# Altium PCB pcb.PcbDoc (part 1 of 2)
Units mil, origin at the board's own origin, x right, y up, seen from the top; angles counter-clockwise.
Board outline 5395 x 5905.51 mil, 4 copper layers (Top Layer, Inner Layer L2, Inner Layer L3, Bottom Layer), stack 62.449 mil thick; 249 components, 93 nets, 542 pads, 119 vias.
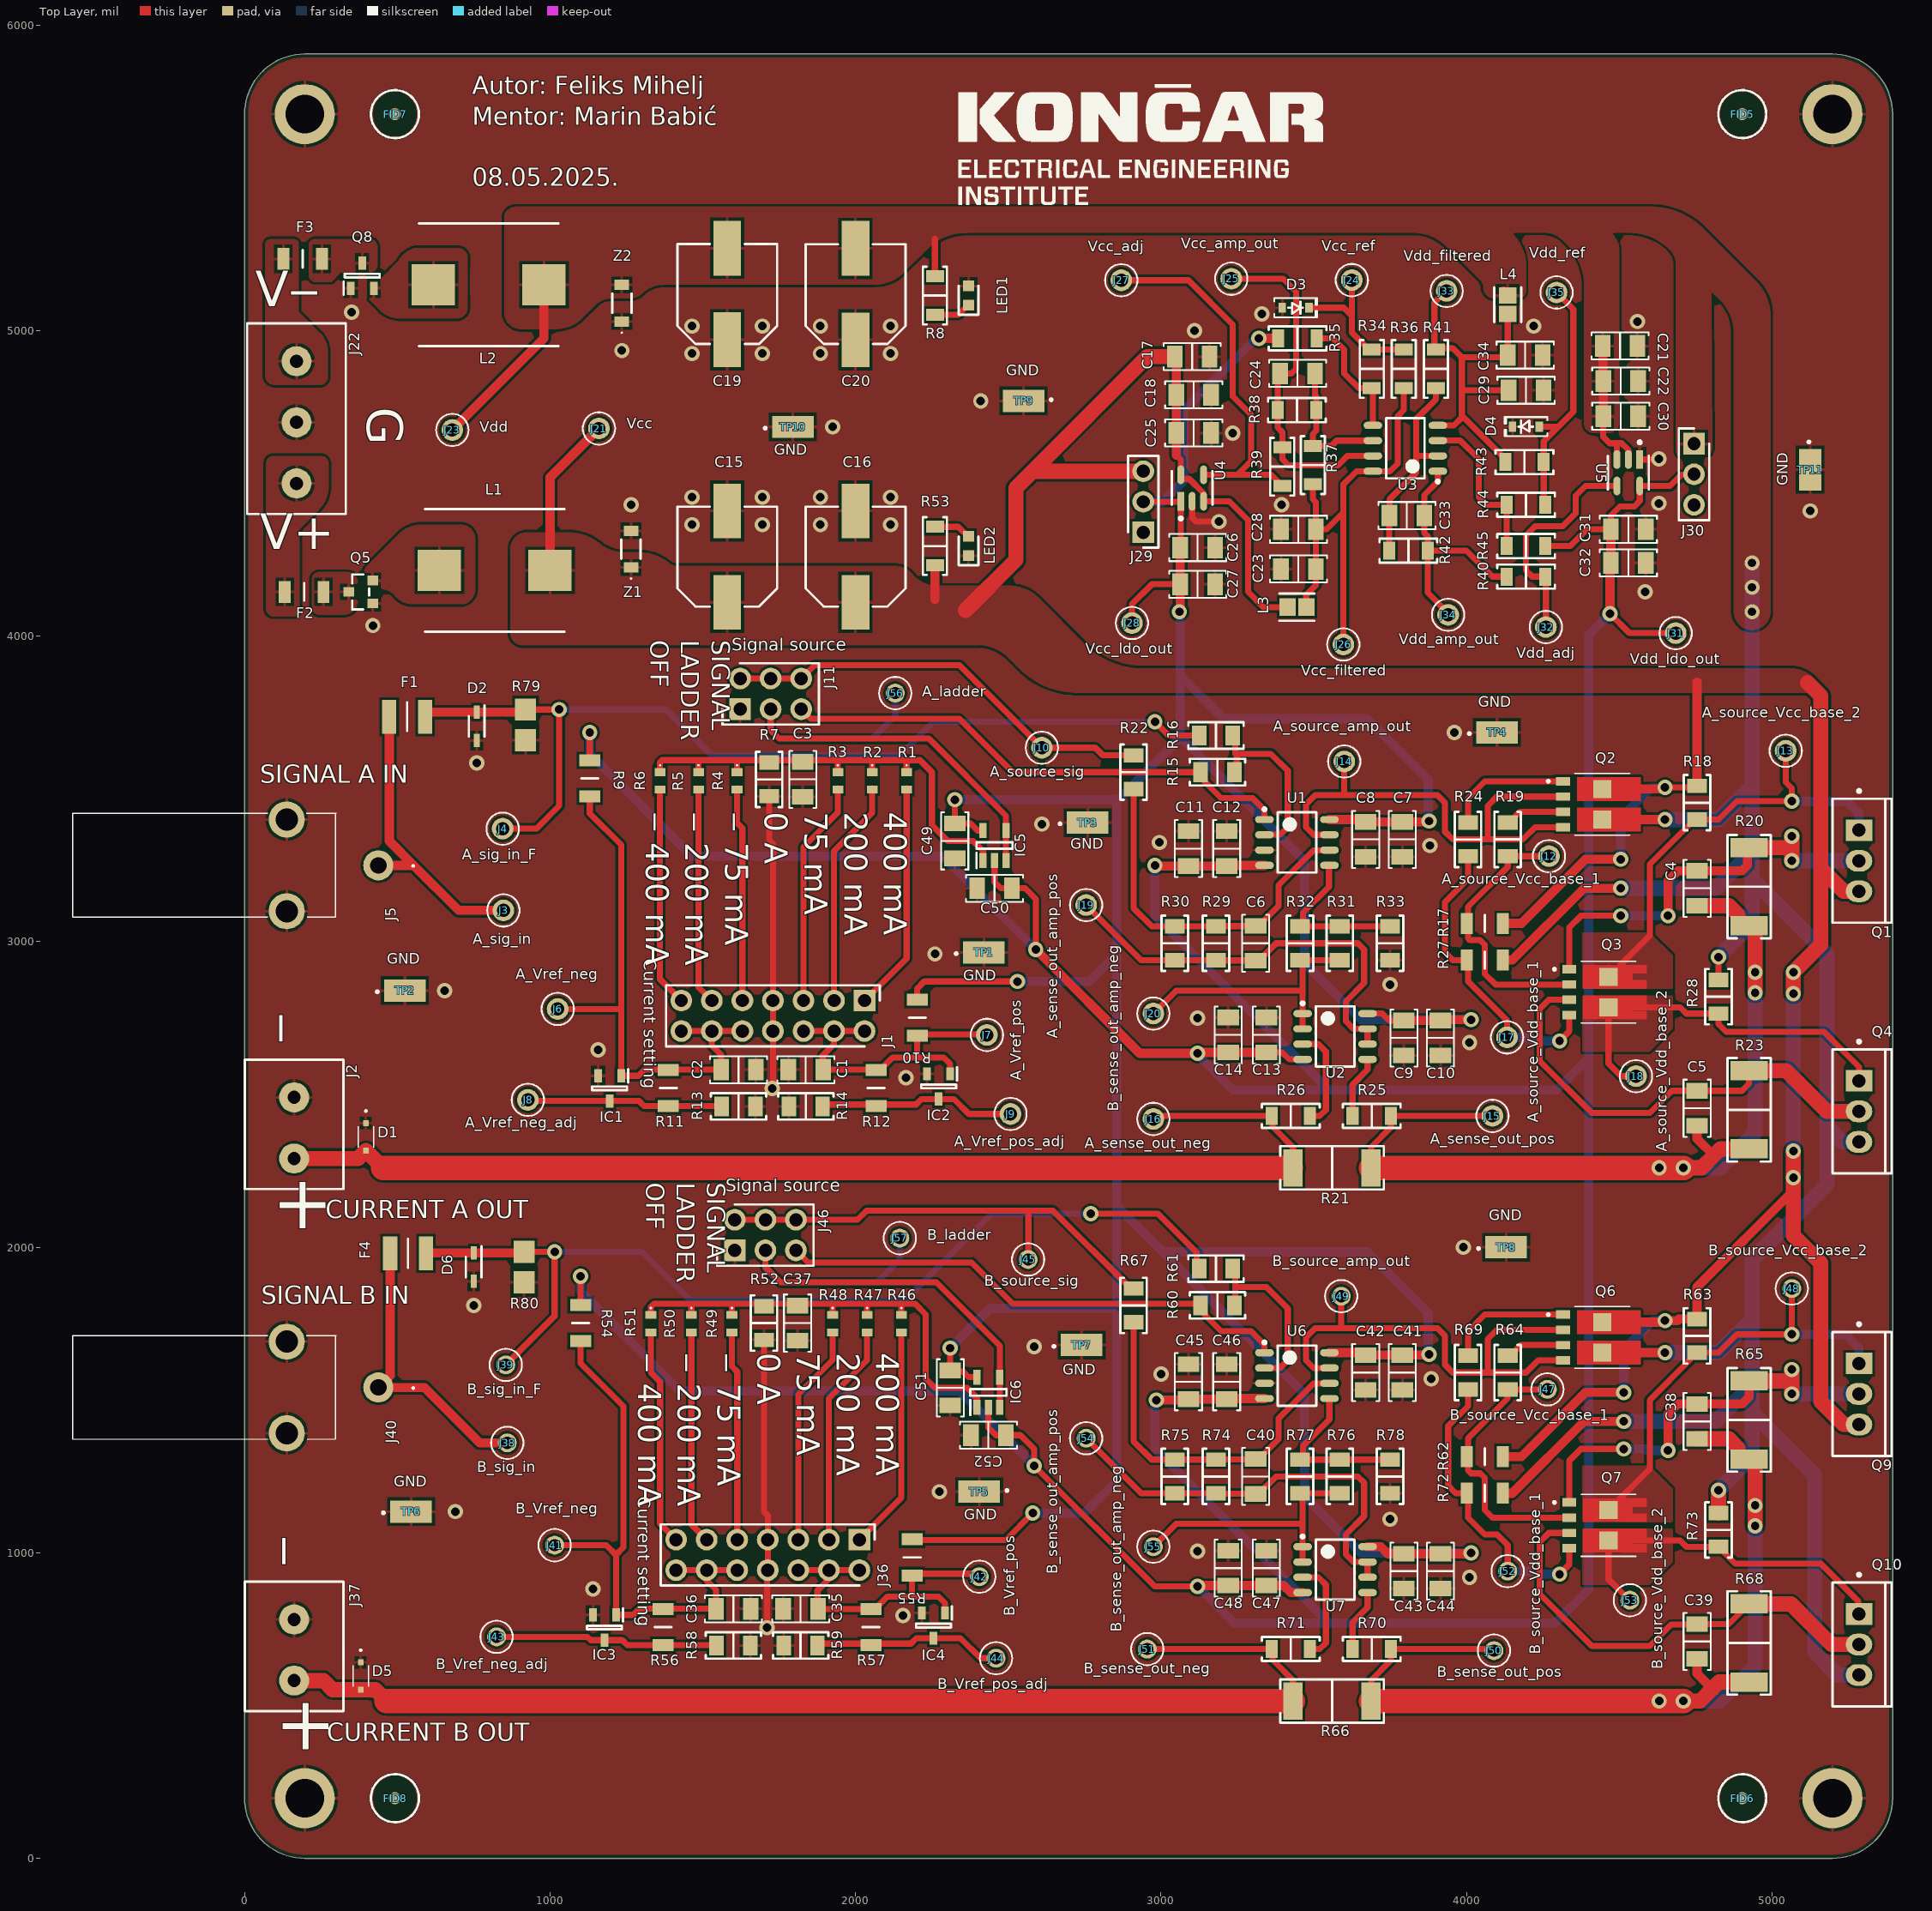
[diagram p0: Top Layer view]
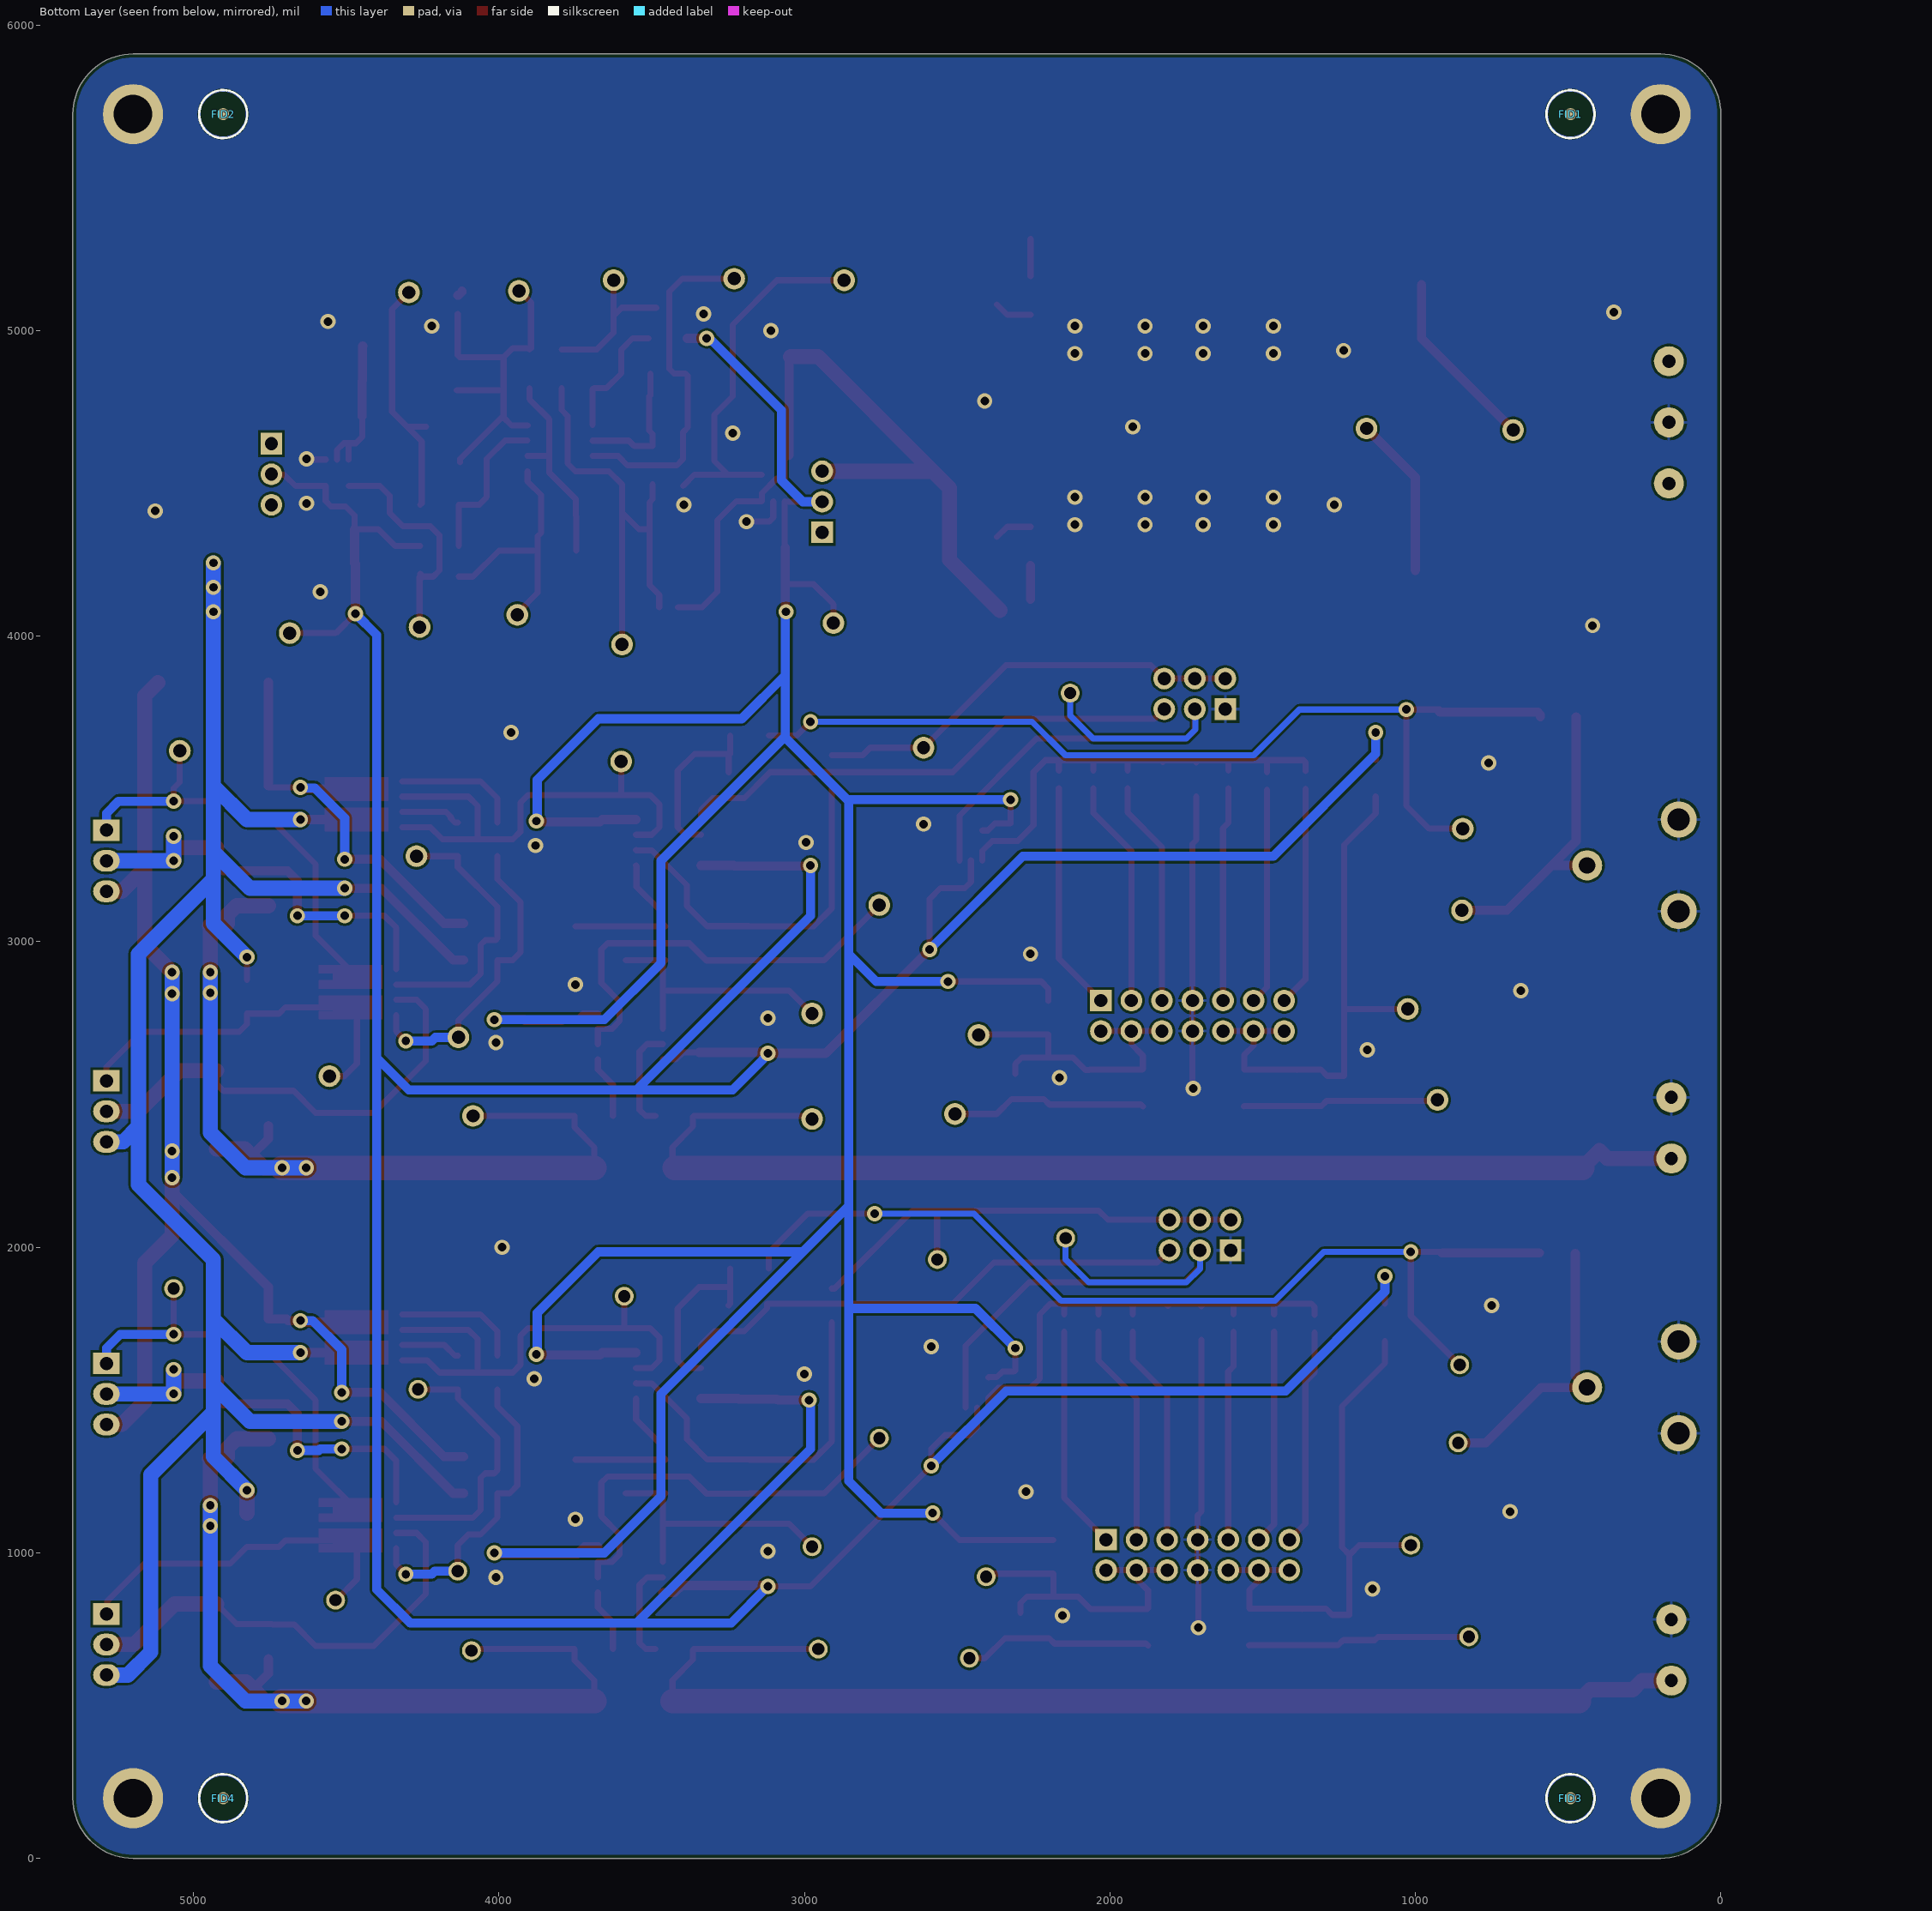
[diagram p1: Bottom Layer view, seen from below]
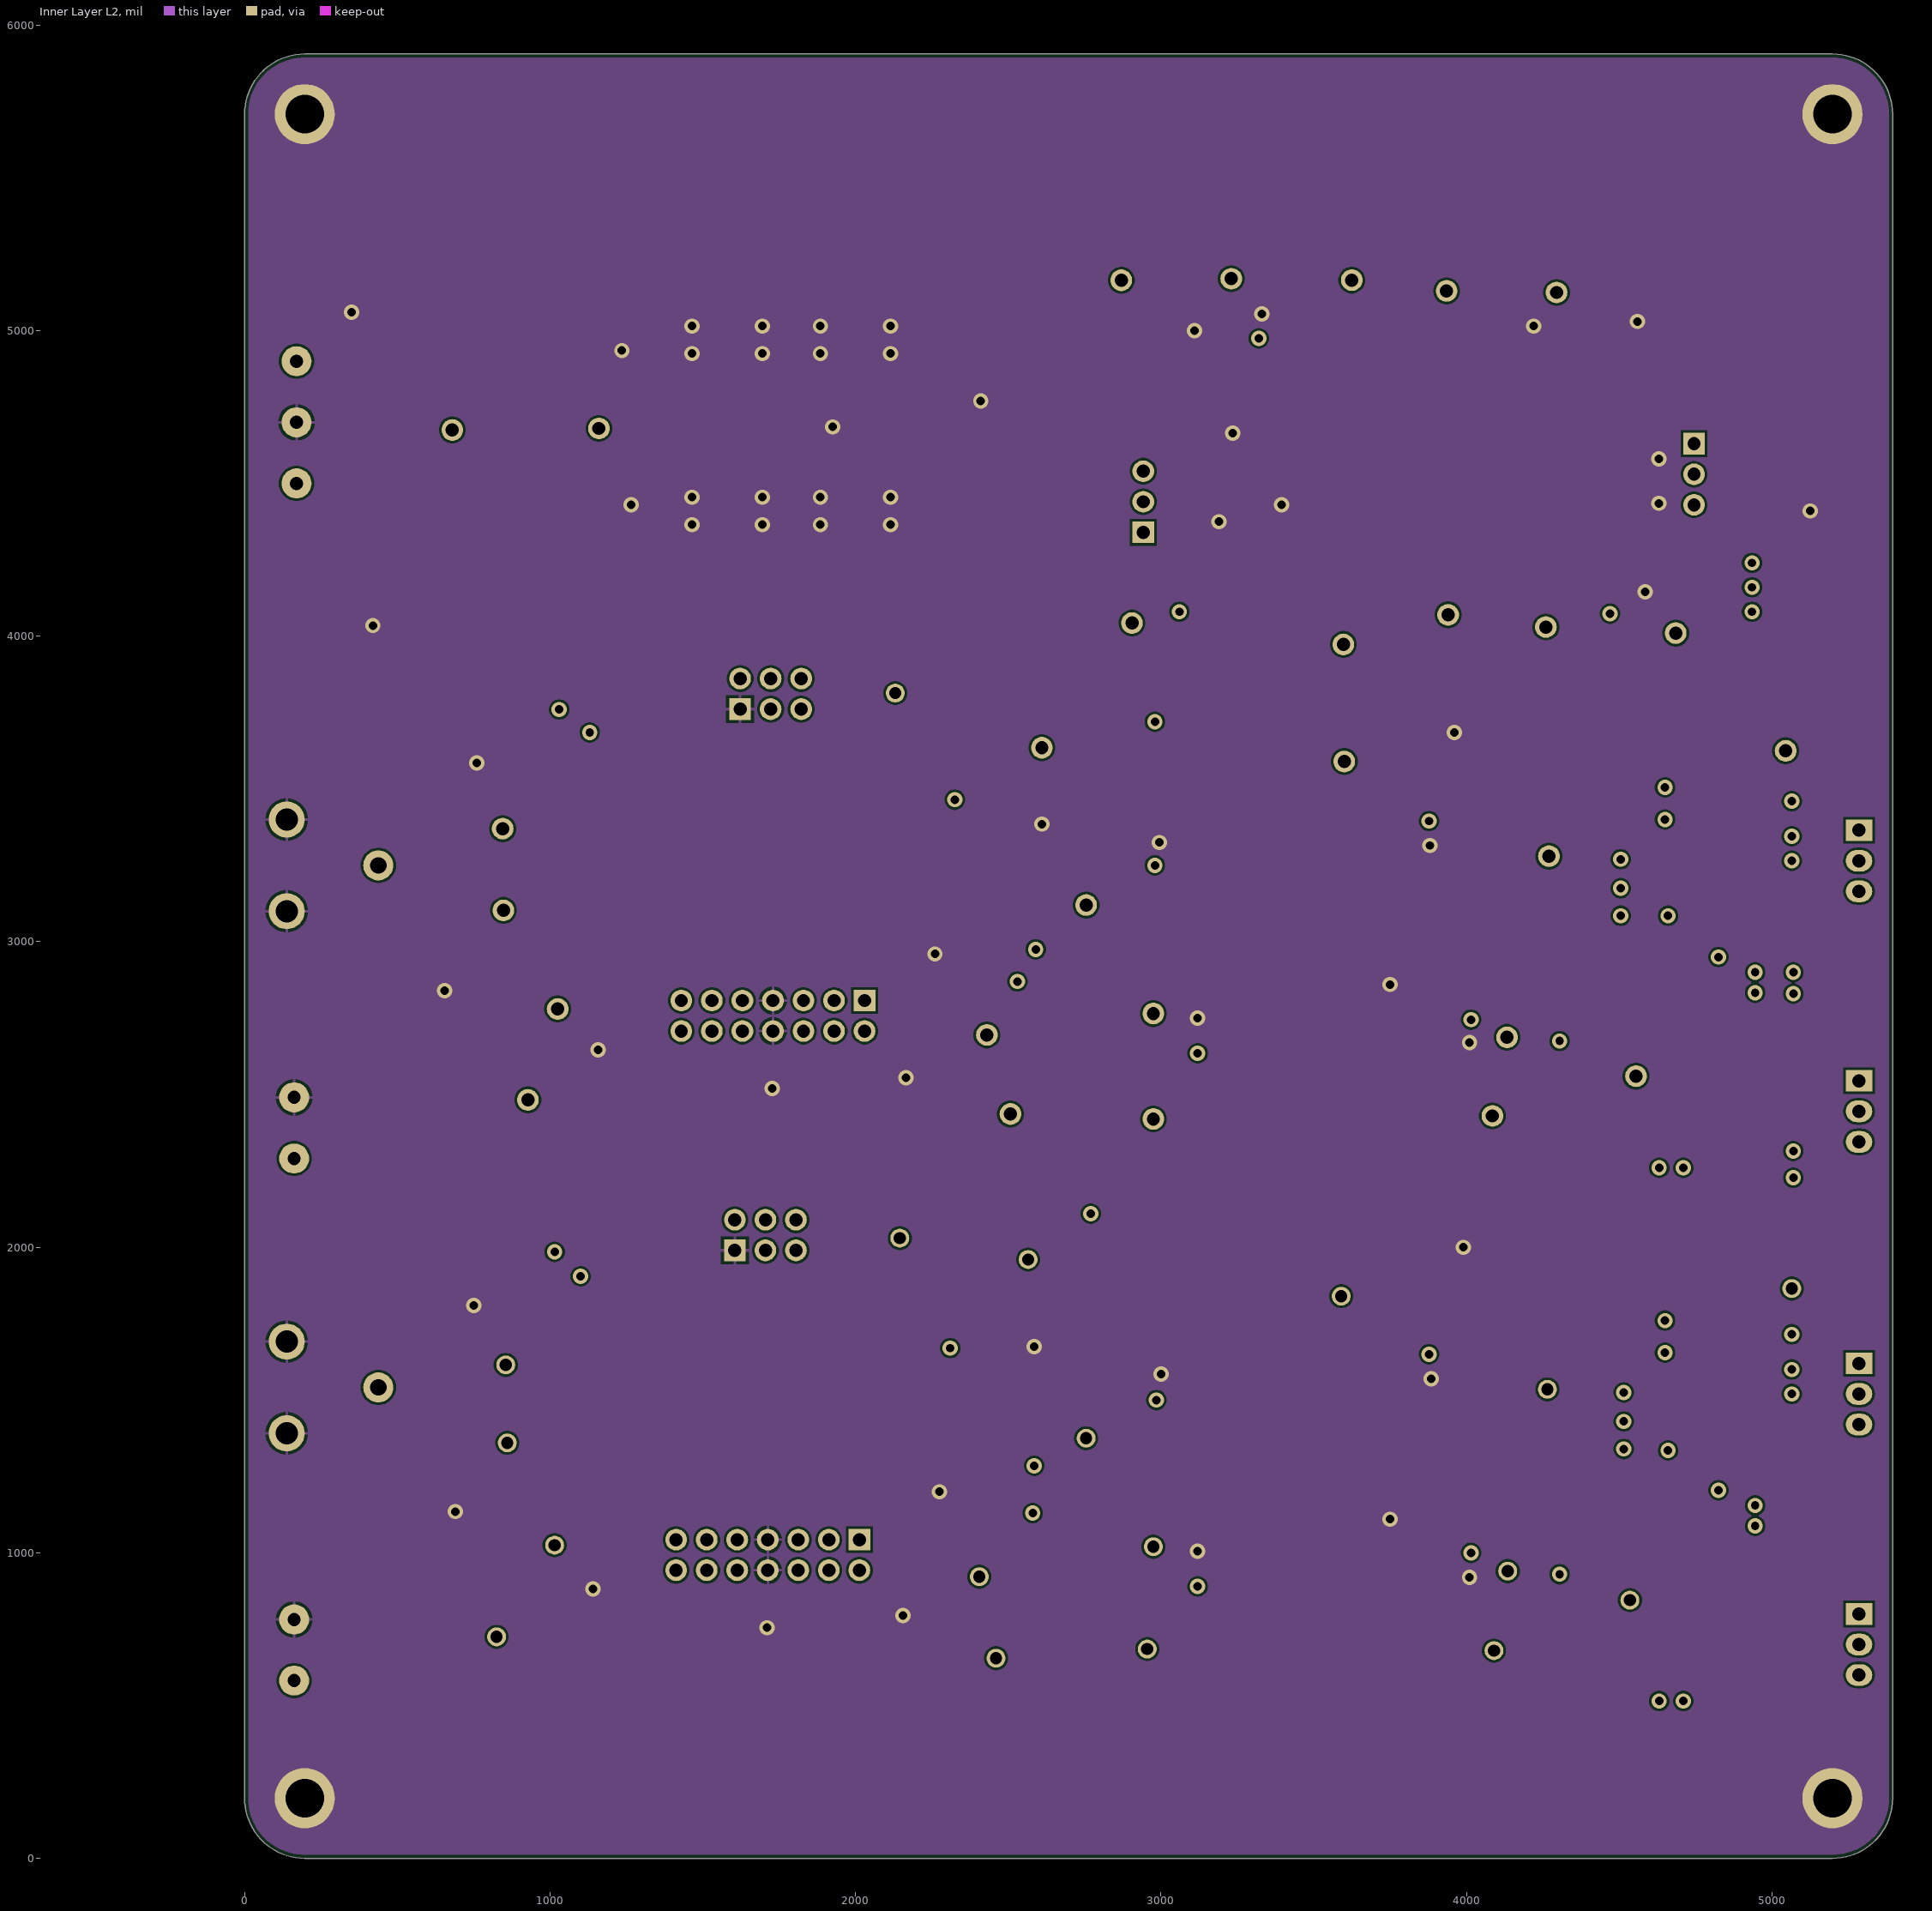
[diagram p2: Inner Layer L2]
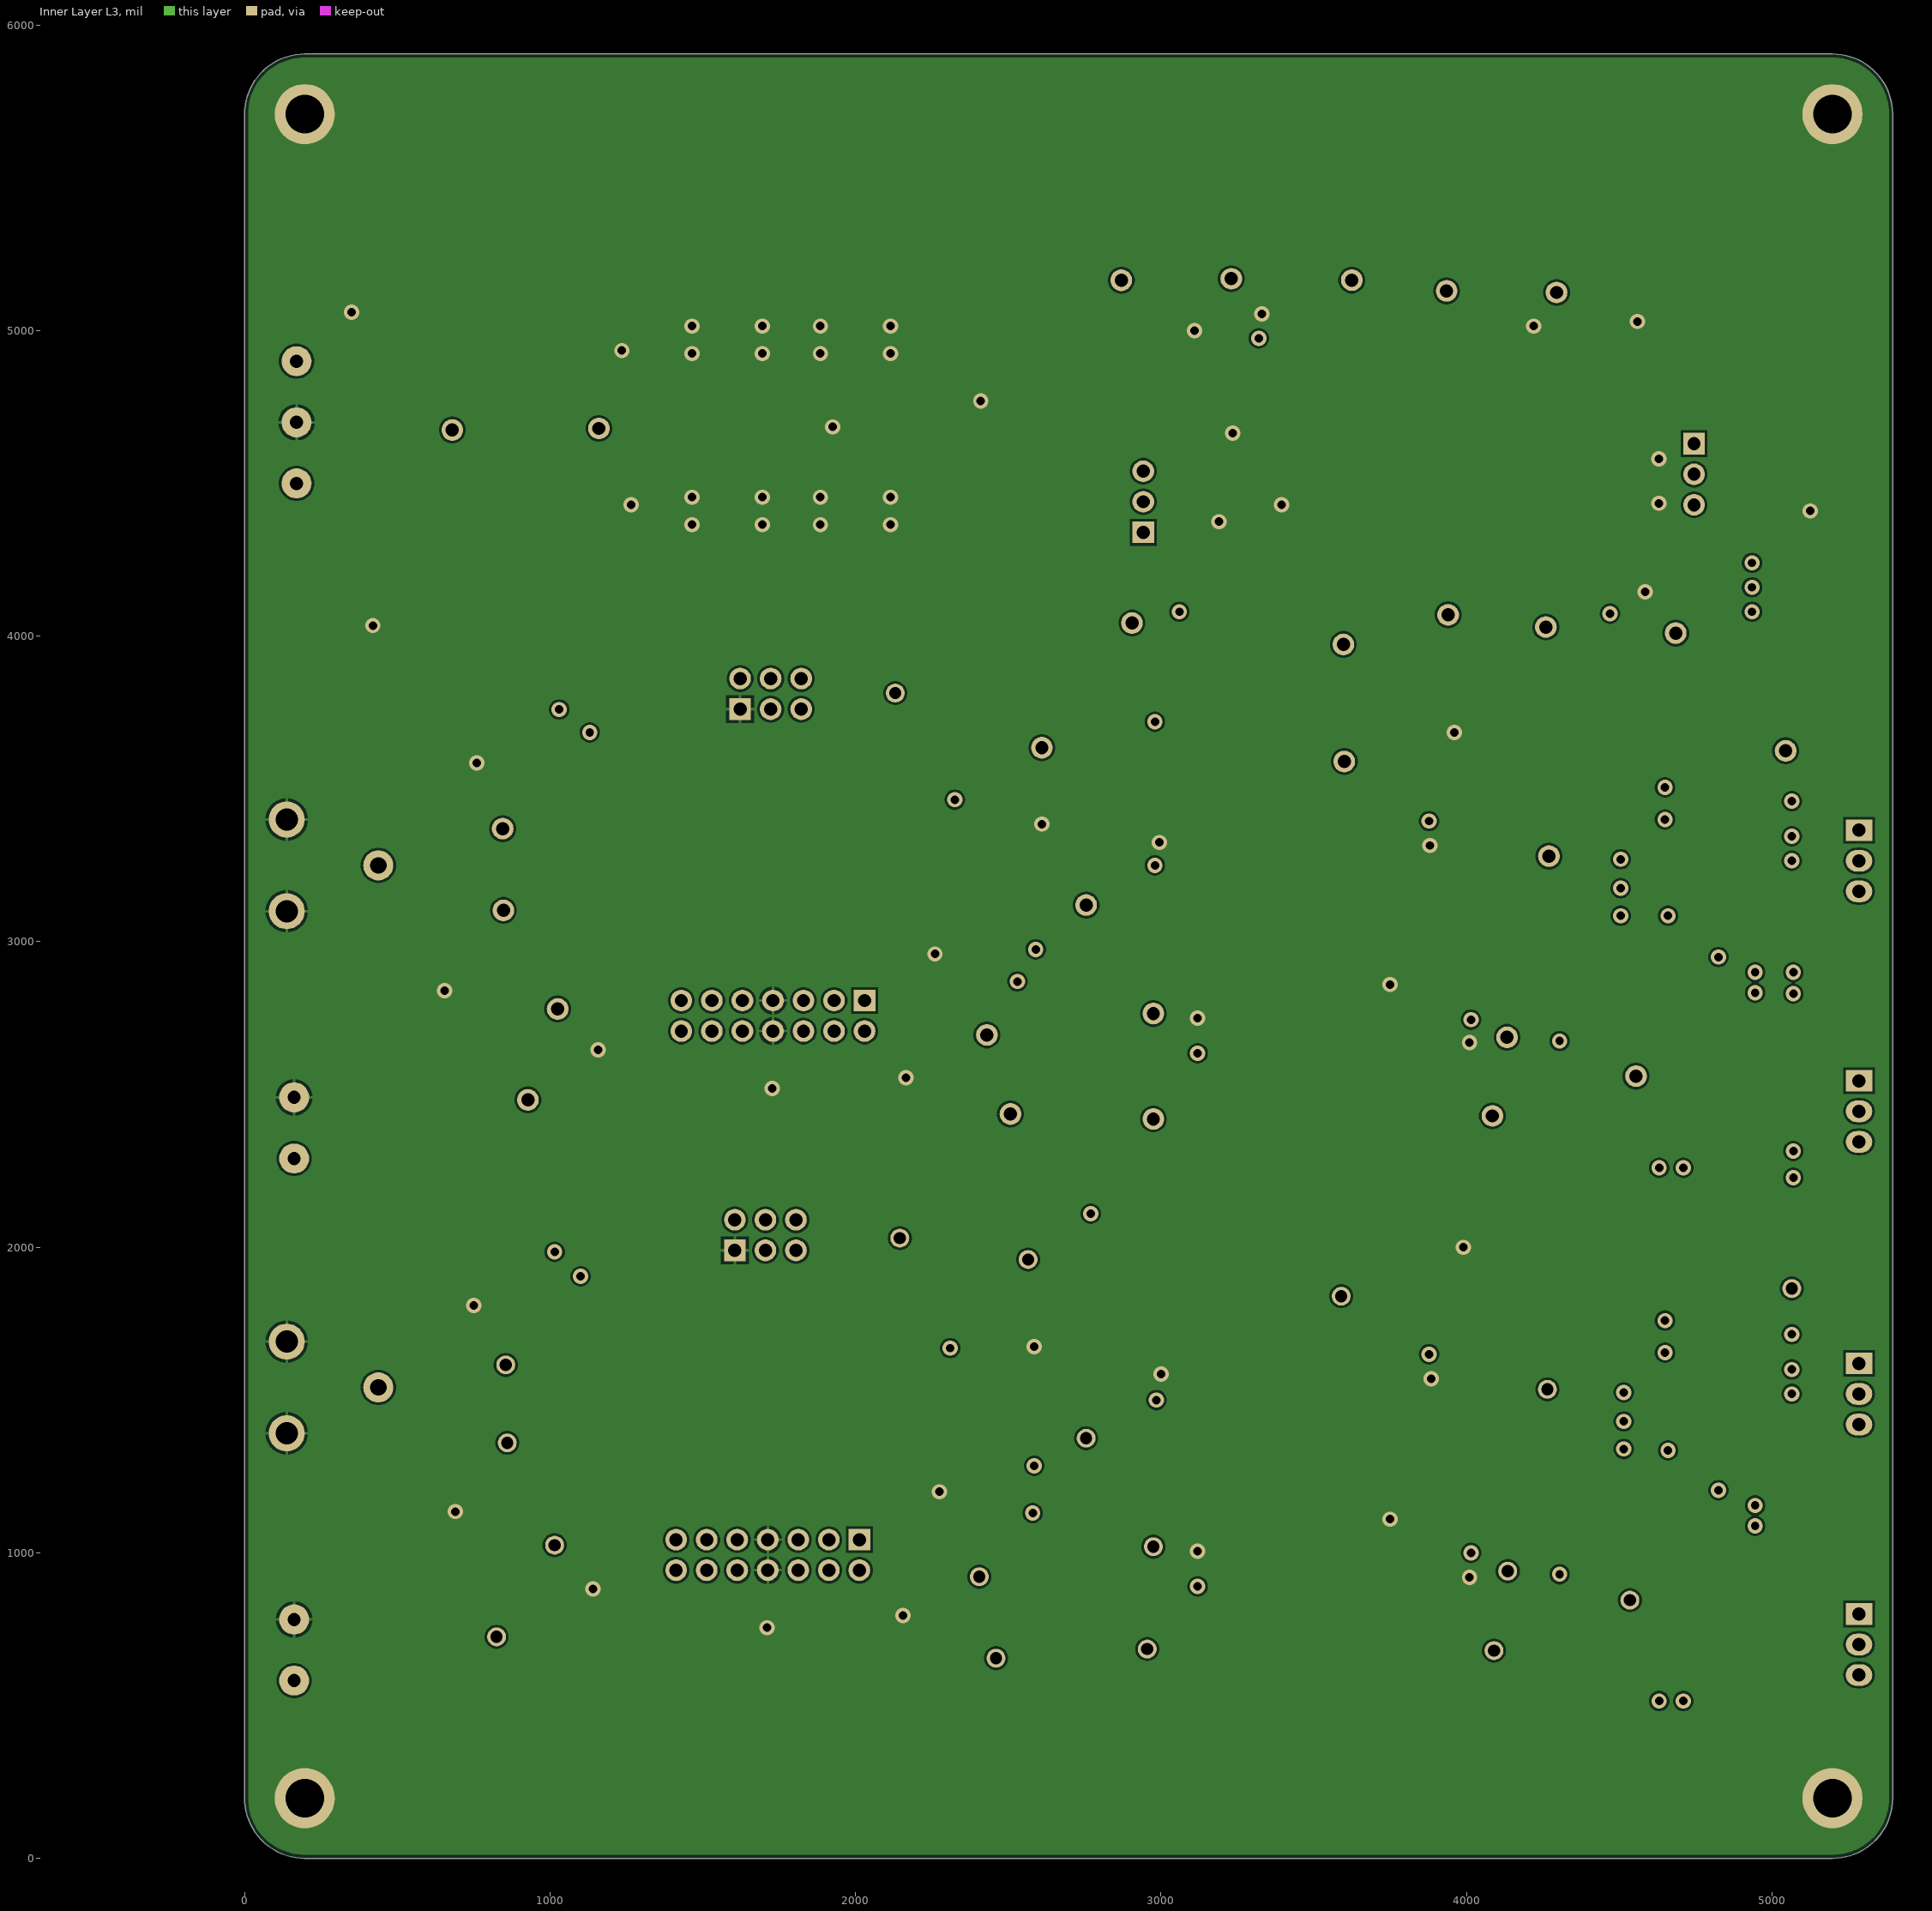
[diagram p3: Inner Layer L3]
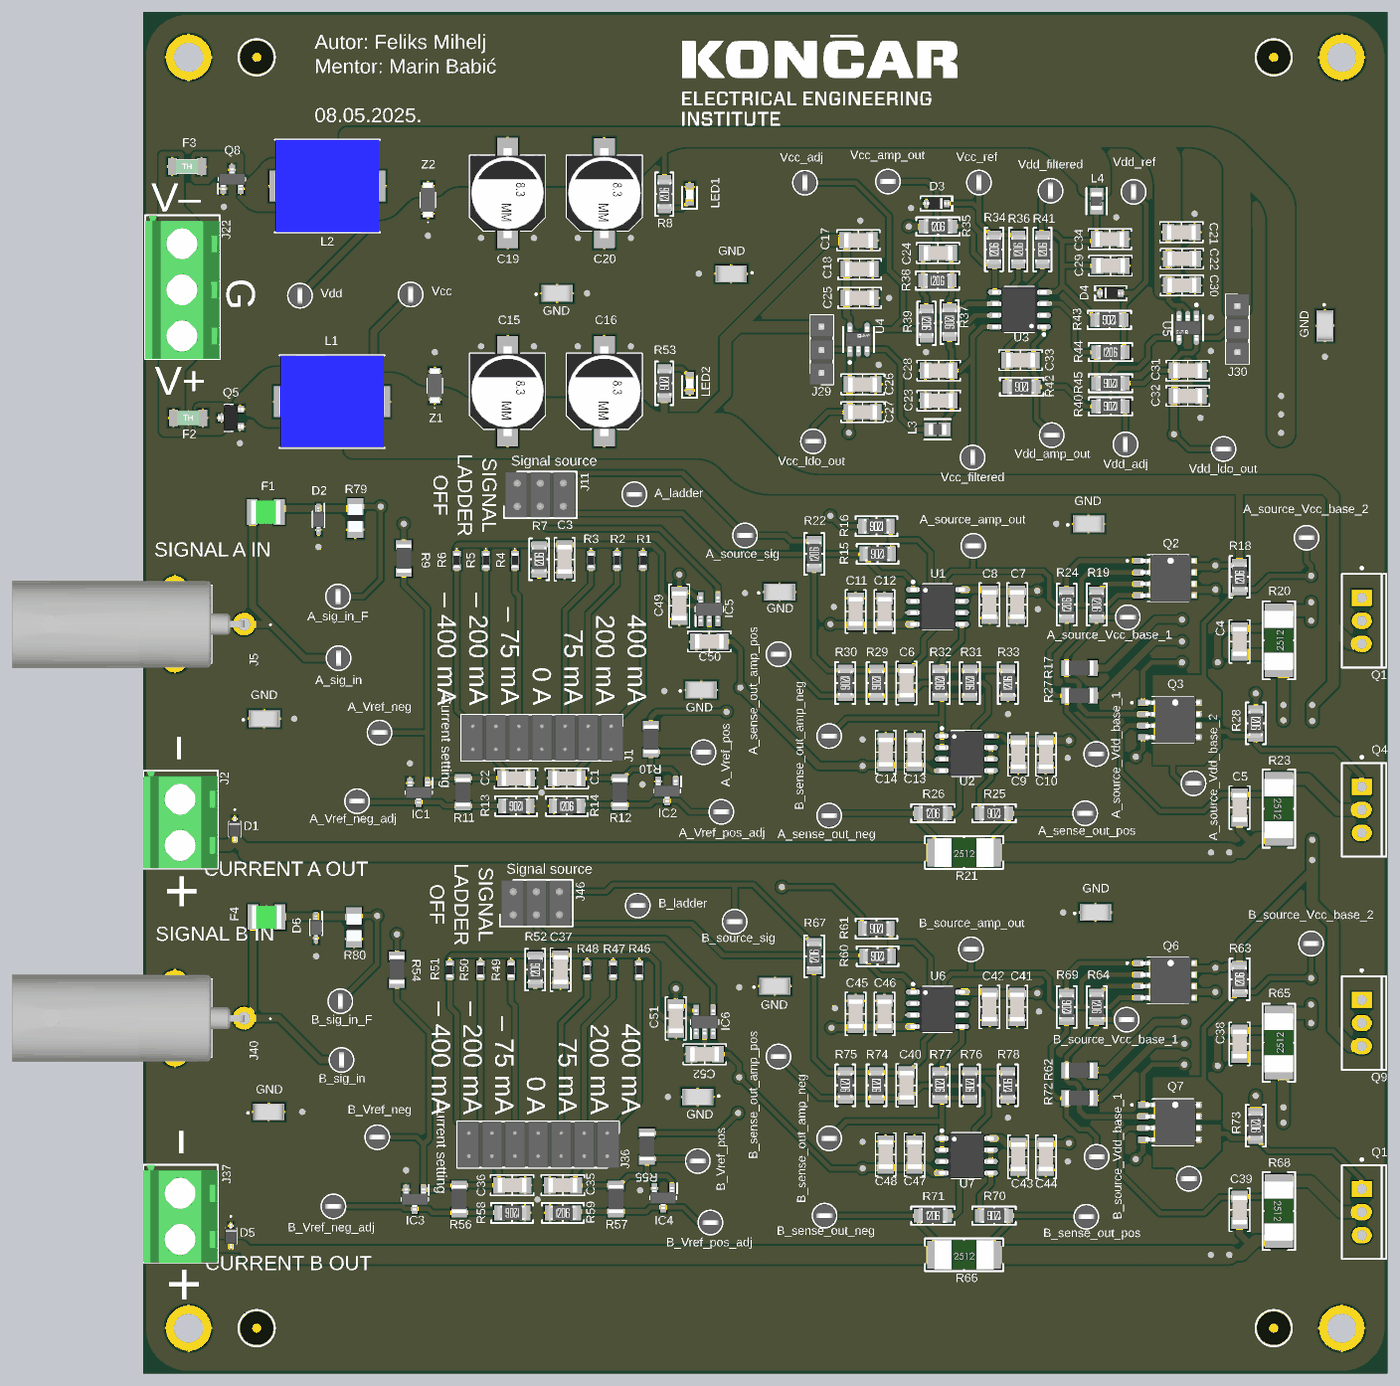
[diagram p5: 3D render of the assembled board from above, using the file's embedded part models]

## Layer stack, top to bottom
Top Solder: solder mask 0.4, Solder Resist, Dk 3.5
Top Layer: signal copper 1.378
Dielectric 2: prepreg 8.2835, PP-023, Dk 4.5
Inner Layer L2: signal copper 0.5984
Dielectric 1: core 41.9291, Core-042, Dk 4.6
Inner Layer L3: signal copper 0.5984
Dielectric 3: prepreg 8.2835, PP-023, Dk 4.5
Bottom Layer: signal copper 1.378
Bottom Solder: solder mask 0.4, Solder Resist, Dk 3.5

## Board outline
0,196.85 0,5708.66 cw(c196.85,5708.66) 196.85,5905.51 5198.15,5905.51 cw(c5198.15,5708.66) 5395,5708.66 5395,196.85 cw(c5198.15,196.85) 5198.15,0 196.85,0 cw(c196.85,196.85)
